# Altium PCB Flatsat.PcbDoc (part 1 of 2)
Units mm, origin at the board's own origin, x right, y up, seen from the top; angles counter-clockwise.
Board outline 98.55 x 99.06 mm, 2 copper layers (Top Layer, Bottom Layer), stack 1.621 mm thick; 111 components, 53 nets, 436 pads, 170 vias.
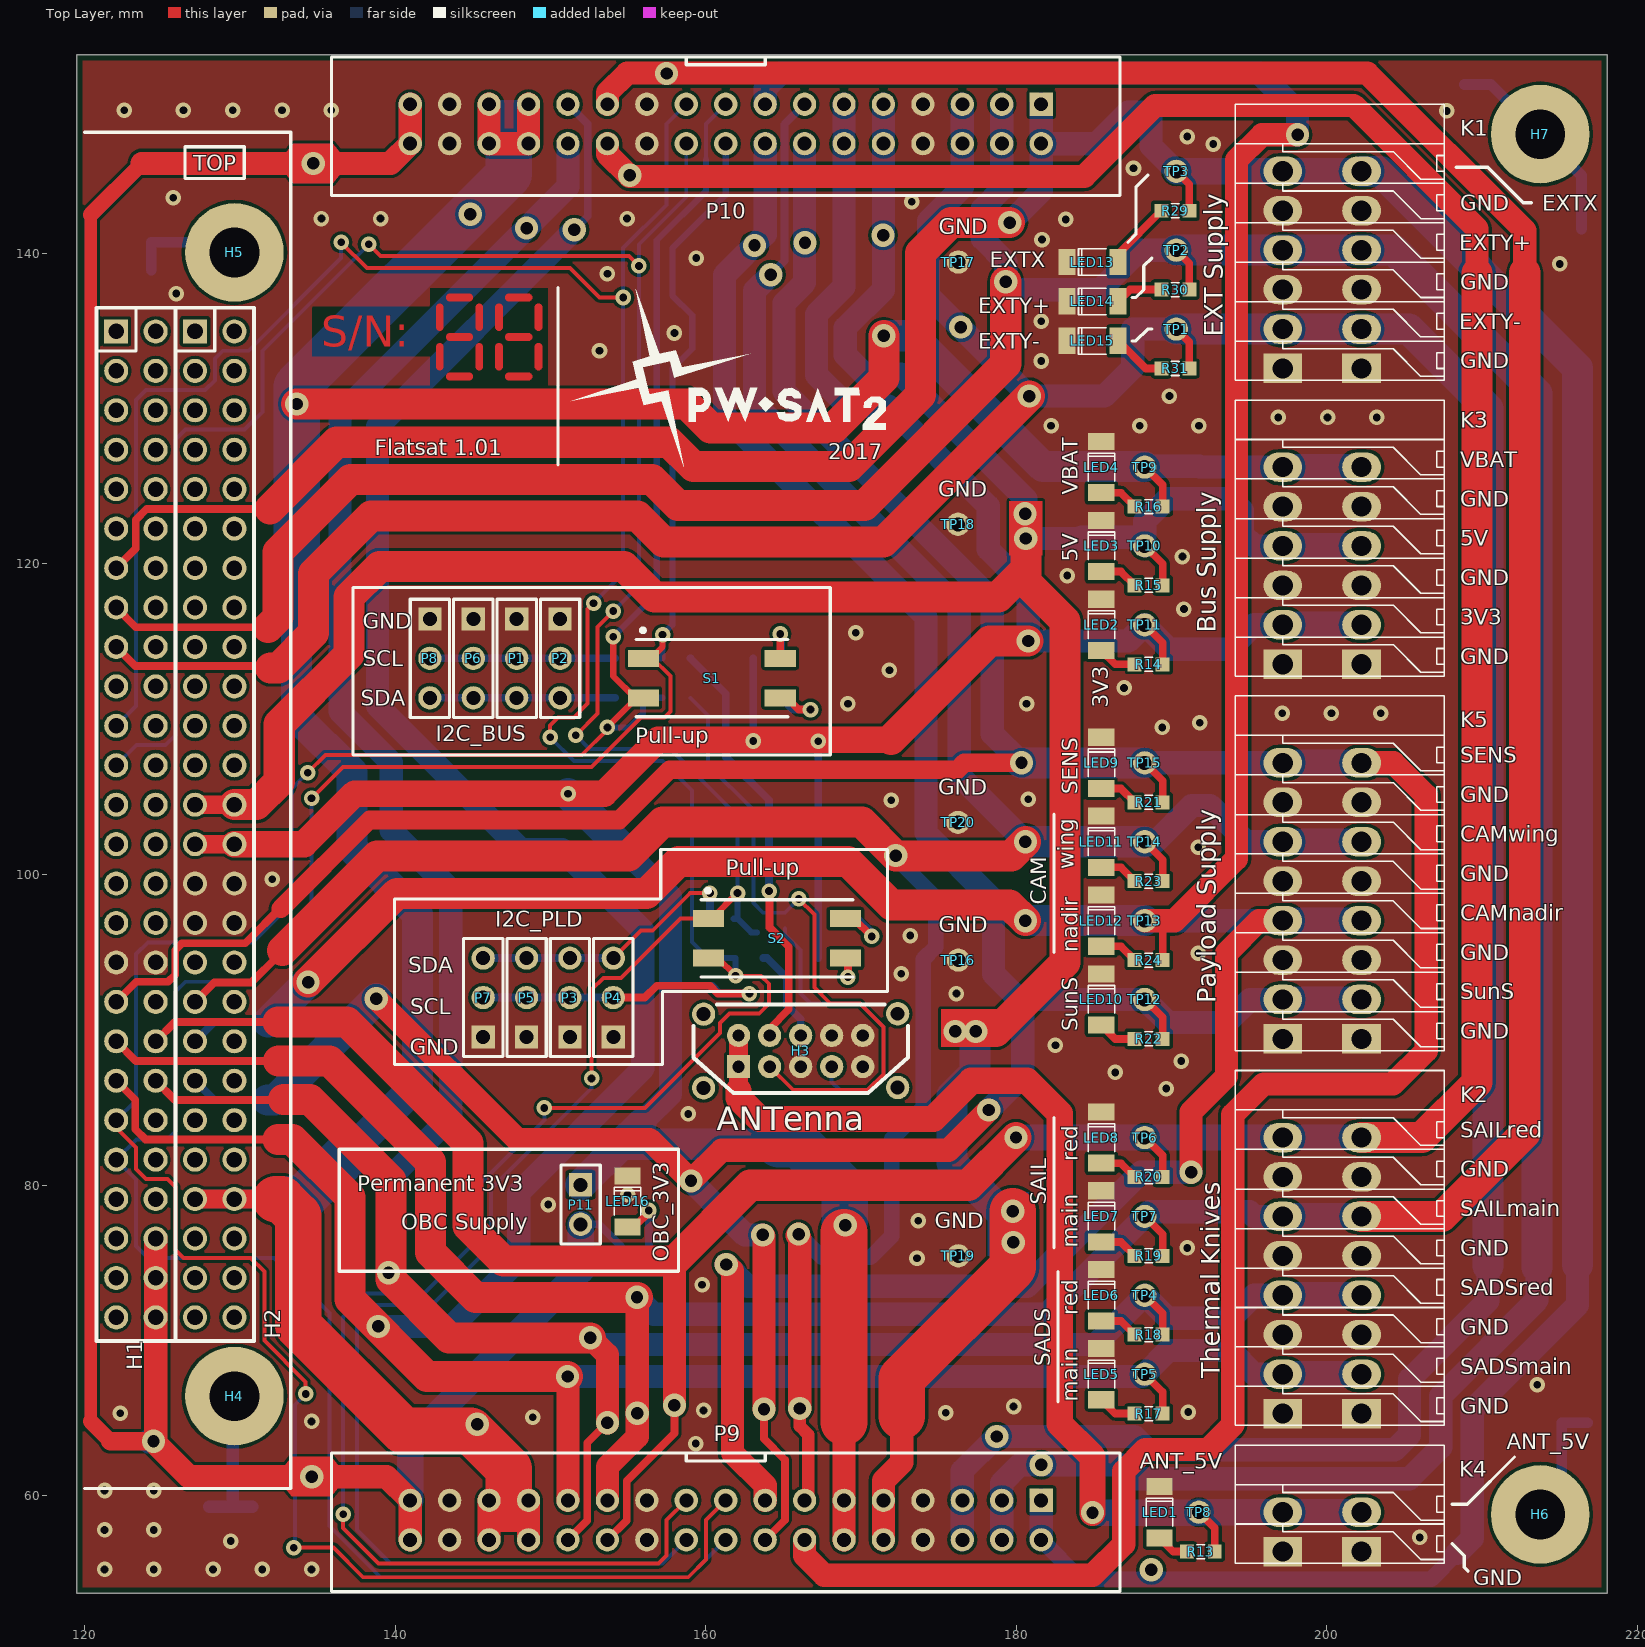
[diagram p0: Top Layer view]
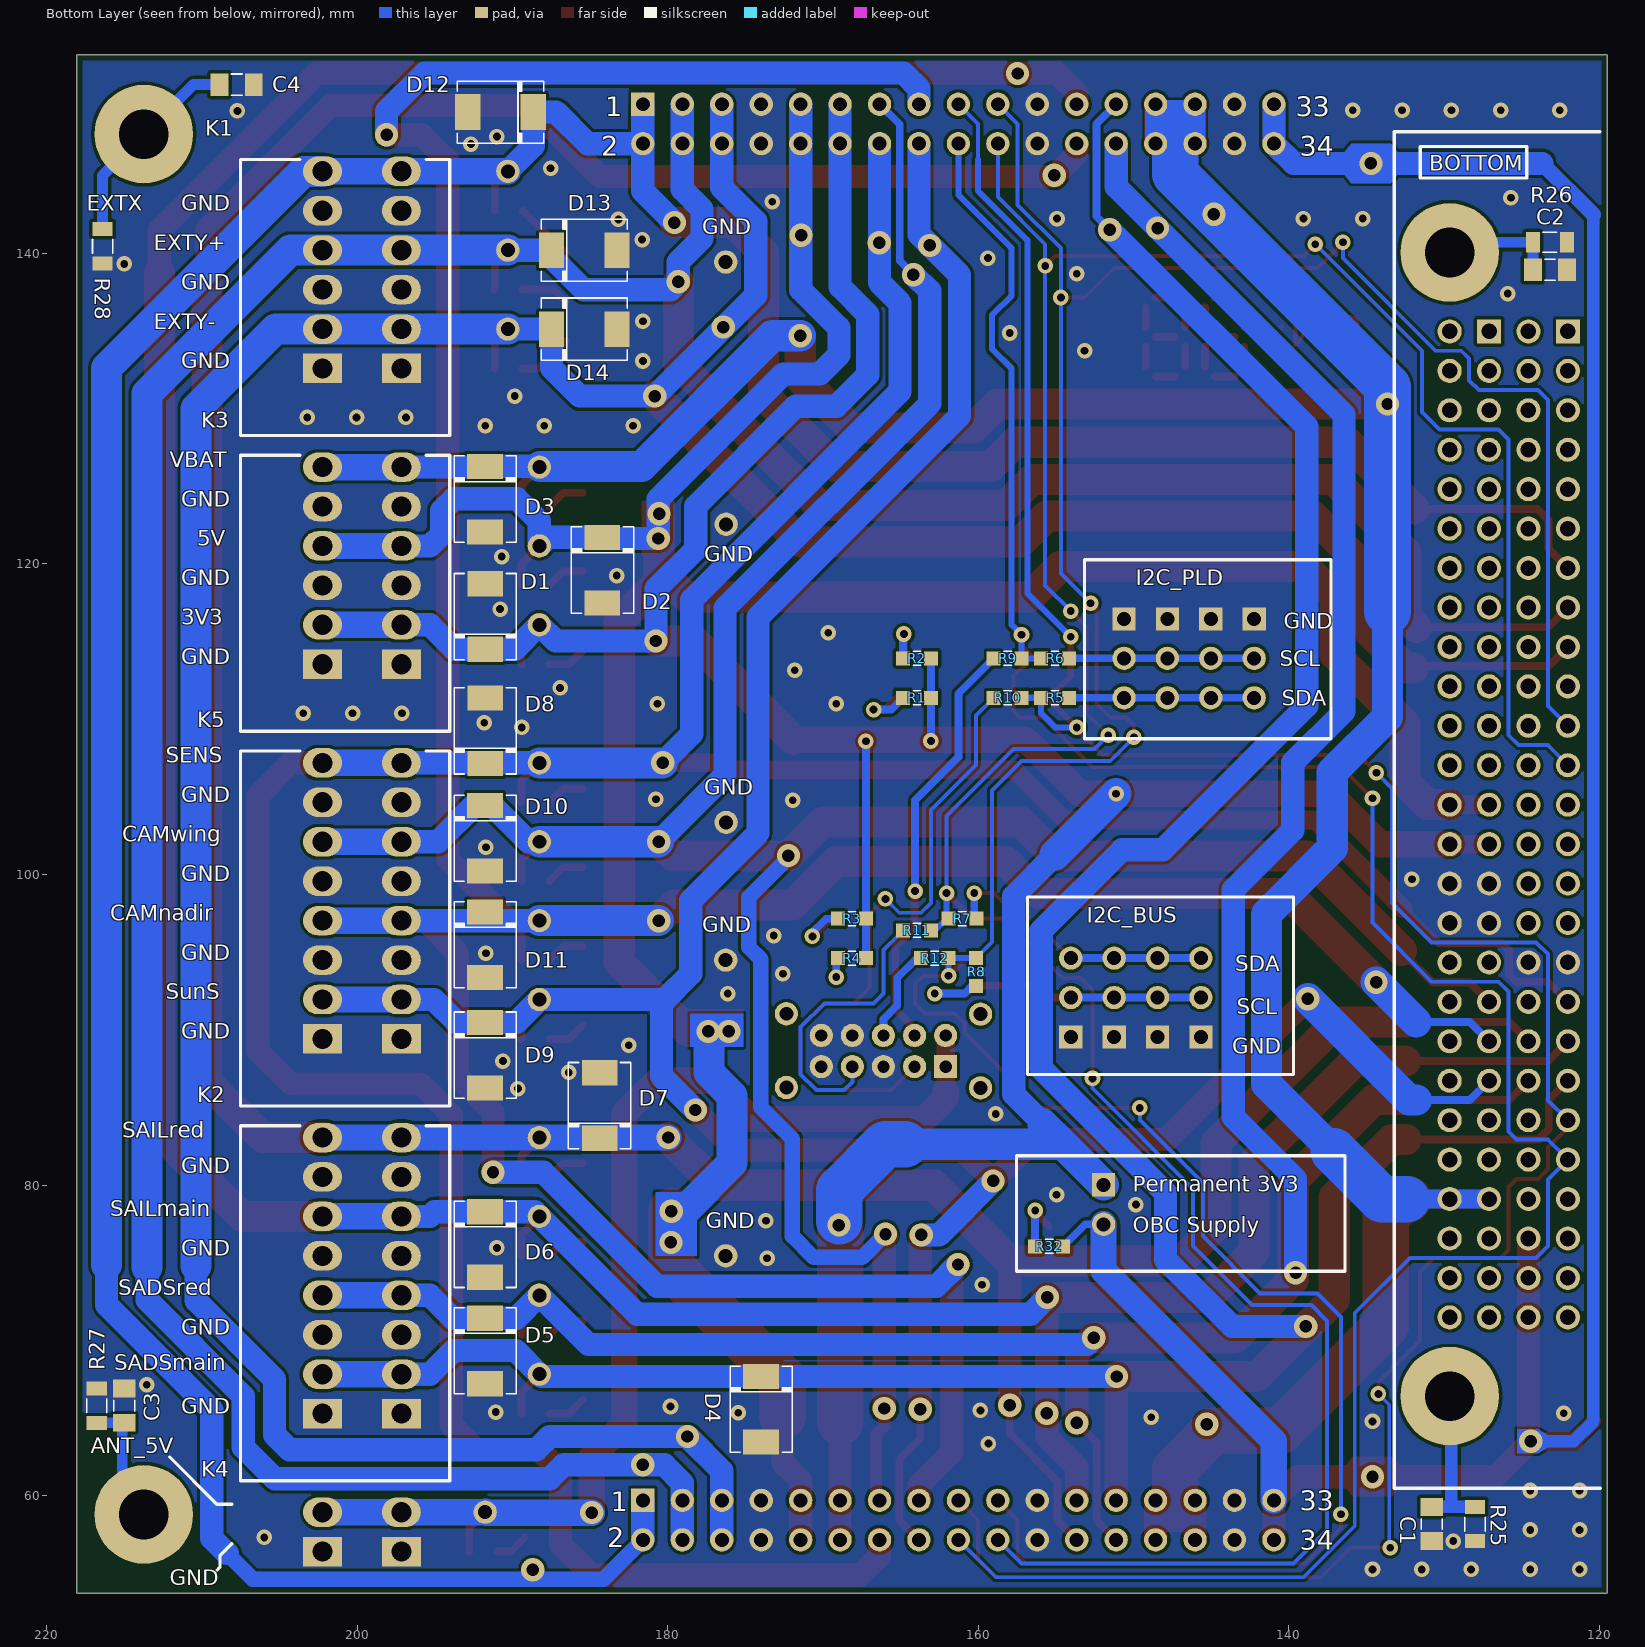
[diagram p1: Bottom Layer view, seen from below]
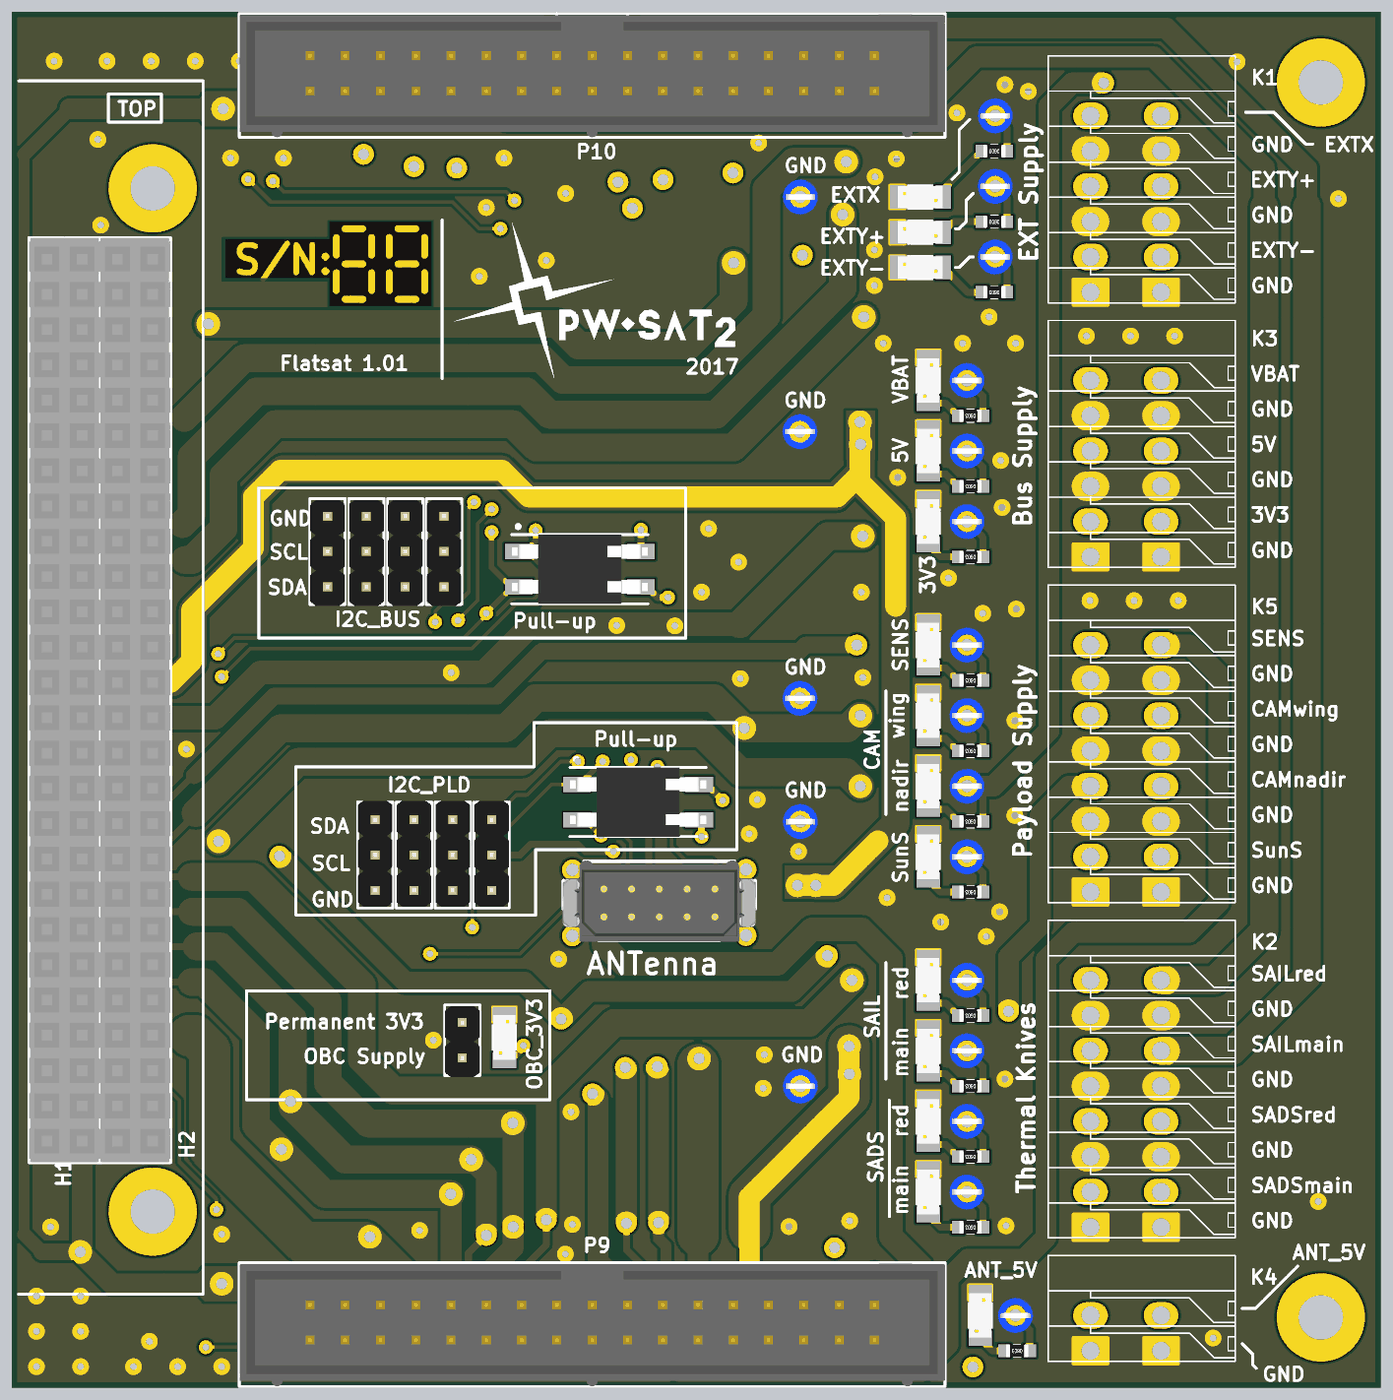
[diagram p3: 3D render of the assembled board from above, using the file's embedded part models]
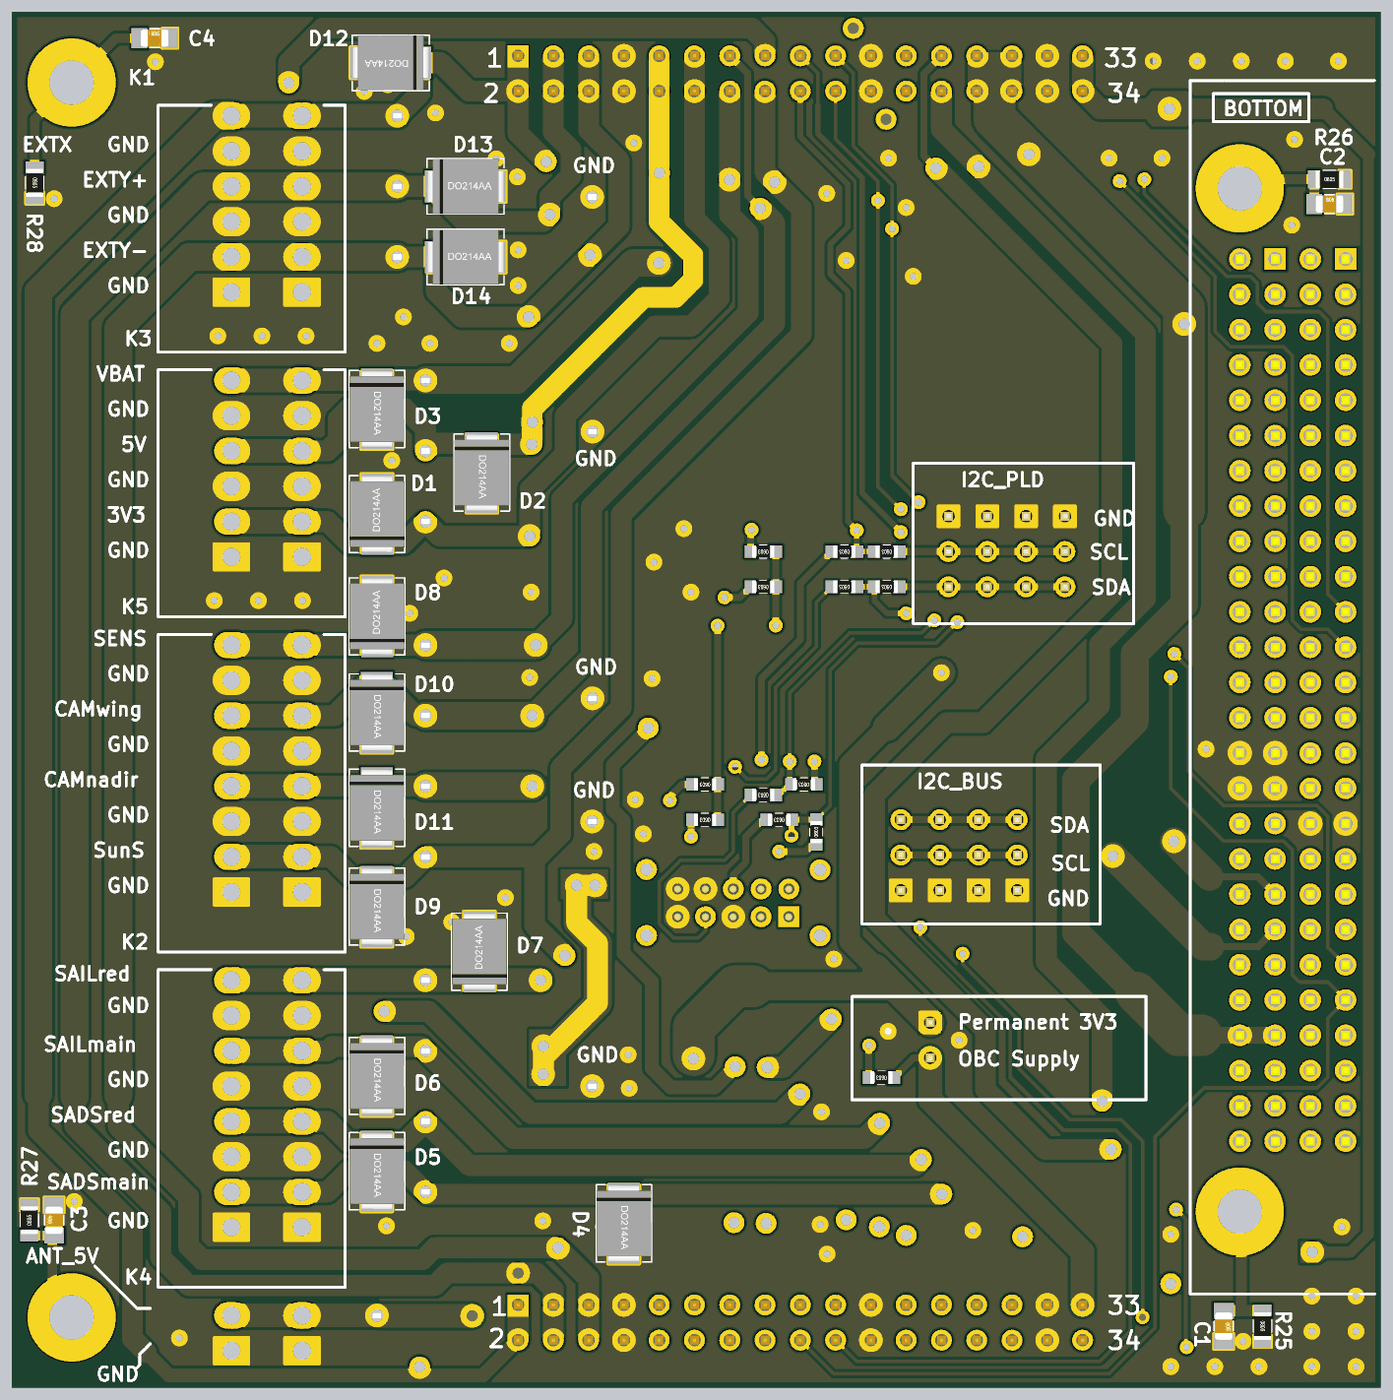
[diagram p4: 3D render of the assembled board from below, using the file's embedded part models]

## Layer stack, top to bottom
Top Solder: solder mask 0.0102, Solder Resist, Dk 3.5
Top Layer: signal copper 0.0356
Dielectric1: dielectric 1.55, FR-4, Dk 4.8
Bottom Layer: signal copper 0.0356
Bottom Solder: solder mask 0.0102, Solder Resist, Dk 3.5

## Board outline
119.507,53.721 218.059,53.721 218.059,152.781 119.507,152.781

## Design rules (kind name [scope] priority, off if disabled: settings)
AssemblyTestPointUsage AssemblyTestPointUsage_1 [All] p2:
AssemblyTestpoint AssemblyTestpoint_1 [All] p2: testpointundercomponent=TRUE minsize=1.016 maxsize=2.54 preferedsize=1.524 minholesize=0 maxholesize=1.016 preferedholesize=0.813 testpointgrid=0.025 usegrid=TRUE gridtolerance=0 allowsidetop=TRUE allowsidebottom=TRUE
Clearance Clearance_Polygons [InNamedPolygon('GND')] p1: gap=0.3 ignorepadtopadclearanceinfootprint=FALSE except(0: Arc-Hole Track-Hole SMDPad-Hole THPad-Hole Via-Hole Fill-Hole Poly-Hole Region-Hole Text-Hole)
Clearance [All] p2: gap=0.203 ignorepadtopadclearanceinfootprint=FALSE except(0: Arc-Hole Track-Hole SMDPad-Hole THPad-Hole Via-Hole Fill-Hole Poly-Hole Region-Hole Text-Hole)
ComponentClearance ComponentClearance_2 [HasFootprint('Samtec_SSQ-126-21-G-D')] p1: gap=0 collisioncheckmode=3 verticalgap=0 showdistances=FALSE
DiffPairsRouting DiffPairsRouting_1 [All] p2: maxlimit=0.254 minlimit=0.254 mostfreqgap=0.254 toplayer_minwidth=0.381 toplayer_maxwidth=0.381 toplayer_prefwidth=0.381 bottomlayer_minwidth=0.381 bottomlayer_maxwidth=0.381 bottomlayer_prefwidth=0.381 maxuncoupledlength=12.7
FabricationTestPointUsage TestPointUsage [All] p2: valid=0 allowmultiple=FALSE
FabricationTestpoint Testpoint [All] p2: side=3 testpointundercomponent=TRUE minsize=1.016 maxsize=2.54 preferedsize=1.524 minholesize=0 maxholesize=1.016 preferedholesize=0.813 testpointgrid=0.025 allowsidetop=TRUE allowsidebottom=TRUE usegrid=TRUE gridtolerance=0
FanoutControl Fanout_LCC [IsLCC] p1: bgadir=Out bgaviamode=Centered fanoutstyle=Auto fanoutdirection=Alternating viagrid=0.025 // Fanout_LCC (Default Rule)
FanoutControl Fanout_BGA [IsBGA] p2: bgadir=Out bgaviamode=Centered fanoutstyle=Auto fanoutdirection=Alternating viagrid=0.025 // Fanout_BGA (Default Rule)
FanoutControl Fanout_Default [All] p4: bgadir=Out bgaviamode=Centered fanoutstyle=Auto fanoutdirection=Alternating viagrid=0.025 // Fanout_Default (Default Rule)
FanoutControl Fanout_Small [(CompPinCount < 5)] p5: bgadir=Out bgaviamode=Centered fanoutstyle=Auto fanoutdirection=OutThenIn viagrid=0.025 // Fanout_Small (Default Rule)
FanoutControl Fanout_BGA_1 [IsBGA] p6: bgadir=Out bgaviamode=Centered fanoutstyle=Auto fanoutdirection=Alternating viagrid=0.025 // Fanout_BGA (Default Rule)
FanoutControl Fanout_LCC_1 [IsLCC] p7: bgadir=Out bgaviamode=Centered fanoutstyle=Auto fanoutdirection=Alternating viagrid=0.025 // Fanout_LCC (Default Rule)
FanoutControl Fanout_SOIC_1 [IsSOIC] p8: bgadir=Out bgaviamode=Centered fanoutstyle=Auto fanoutdirection=Alternating viagrid=0.025 // Fanout_SOIC (Default Rule)
FanoutControl Fanout_Small_1 [(CompPinCount < 5)] p9: bgadir=Out bgaviamode=Centered fanoutstyle=Auto fanoutdirection=OutThenIn viagrid=0.025 // Fanout_Small (Default Rule)
FanoutControl Fanout_Default_1 [All] p10: bgadir=Out bgaviamode=Centered fanoutstyle=Auto fanoutdirection=Alternating viagrid=0.025 // Fanout_Default (Default Rule)
Height Height_1 [All] p2: minheight=0 maxheight=25.4 prefheight=12.7
HoleSize [All] p1: absolutevalues=TRUE maxlimit=4 minlimit=0.025 maxpercent=80.000 minpercent=20.000
HoleSize HoleSize_1 [All] p2: absolutevalues=TRUE maxlimit=4 minlimit=0.025 maxpercent=80.000 minpercent=20.000
HoleToHoleClearance HoleToHoleClearance_1 [All] p2: gap=0.254 allowstackedmicrovias=TRUE
LayerPairs LayerPairs_1 [All] p2: enforce=TRUE
MinimumSolderMaskSliver MinimumSolderMaskSliver_1 [All] p2: minsoldermaskwidth=0.254
NetAntennae NetAntennae_1 [All] p2: netantennaetolerance=0
PasteMaskExpansion PasteMaskExpansion_1 [All] p2: expansion=0
PlaneClearance PlaneClearance_1 [All] p2: clearance=0.508
PolygonConnect Polygon_GND [IsVia AND InNet('GND')] p1: connectstyle=Direct reliefconductorwidth=0.254 reliefentries=4 polygonreliefangle="45 Angle" airgapwidth=0.254
PolygonConnect PolygonConnect_1 [All] p2: connectstyle=Direct reliefconductorwidth=0.254 reliefentries=4 polygonreliefangle="45 Angle" airgapwidth=0.254
RoomDefinition Flatsat_Connectors [InComponentClass('Flatsat_Connectors')] p1: confinementstyle=ConfineIn formatcopy=TRUE lockcomponents=FALSE outline 132.5,144 120.2,144 120.2,65.1 132.5,65.1
RoutingPriority RoutingPriority_1 [All] p2: routingpriority=0
RoutingTopology RoutingTopology_1 [All] p2: topology=Shortest
RoutingVias [All] p1: holewidth=0.635 width=1.016 viastyle="Through Hole" minholewidth=0.711 minwidth=1.27 maxholewidth=0.711 maxwidth=1.27
ShortCircuit ShortCircuit_1 [All] p2: allowed=FALSE
SilkToBoardRegionClearance SilkToBoardRegionClearance_1 [All] p2:
SilkToSilkClearance SilkToSilkClearance_1 [All] p2: silktosilkclearance=0.254
SilkToSolderMaskClearance SilkscreenOverComponentPads [IsPad] p2: minsilkscreentomaskgap=0.254 clearancetoexposedcopper=TRUE
SolderMaskExpansion [All] p1: expansion=0.102
SolderMaskExpansion SolderMaskExpansion_1 [All] p2: expansion=0.102
UnRoutedNet UnRoutedNet_1 [All] p2:
UnpouredPolygon UnpouredPolygon_1 [All] p2:
Width [All] p1: maxlimit=5 minlimit=0.102 preferedwidth=0.203 minimp=50.000000 maximp=50.000000 favimp=50.000000
24 further rules are at their usual default settings.

## Components (designator, comment, footprint, x,y, rotation, side; value= is the part's Value field where it differs from the comment)
C1 "Cap" SMD_Capacitor_0805 130.81,58.166 r270 bottom value=10n
C2 "Cap" SMD_Capacitor_0805 123.19,138.938 r180 bottom value=10n
C3 "Cap" SMD_Capacitor_0805 215.011,65.786 r90 bottom value=10n
C4 "Cap" SMD_Capacitor_0805 207.772,150.876 r180 bottom value=10n
D1 "SMLVT3V3" DO-214AA 191.77,116.586 r90 bottom
D2 "SMBJ5.0A" DO-214AA 184.212,119.634 r270 bottom
D3 "SMBJ8.5A" DO-214AA 191.77,124.206 r270 bottom
D4 "SMBJ8.5A" DO-214AA 173.99,65.583 r270 bottom
D5 "SMBJ8.5A" DO-214AA 191.77,69.342 r270 bottom
D6 "SMBJ8.5A" DO-214AA 191.77,76.2 r270 bottom
D7 "SMBJ8.5A" DO-214AA 184.404,85.09 r90 bottom
D8 "SMBJ5.0A" DO-214AA 191.77,109.22 r90 bottom
D9 "SMLVT3V3" DO-214AA 191.77,88.392 r270 bottom
D10 "SMLVT3V3" DO-214AA 191.77,102.362 r270 bottom
D11 "SMLVT3V3" DO-214AA 191.77,95.504 r270 bottom
D12 "SMBJ5.0A" DO-214AA 190.754,149.098 r0 bottom
D13 "SMBJ12A" DO-214AA 185.42,140.208 r180 bottom
D14 "SMBJ12A" DO-214AA 185.42,135.128 r180 bottom
H1 "Samtec Header ESQ-126-39-G-D" Samtec_ESQ-126-39-G-D 122.035,134.975 r270 top locked
H2 "Samtec Header ESQ-126-39-G-D" Samtec_ESQ-126-39-G-D 127.11,134.975 r270 top locked
H3 "ANTenna" Harwin_Datamate_L-Tek_M80-8671005 162.116,87.63 r0 top value="Harwin DataMate L-Tek 2x5pin"
H4 "PC-104" PC-104_PcbMntHole_M3 129.65,66.404 r0 top value="Mounting Hole"
H5 "PC-104" PC-104_PcbMntHole_M3 129.65,140.064 r0 top value="Mounting Hole"
H6 "Flatsat" PC-104_PcbMntHole_M3 213.75,58.784 r0 top value="Mounting Hole"
H7 "Flatsat" PC-104_PcbMntHole_M3 213.75,147.684 r0 top value="Mounting Hole"
K1 "EXT Supply" TerminalBlock_Spring_2.54_6-R 197.166,132.588 r0 top
K2 "Thermal Knives" TerminalBlock_Spring_2.54_8-R 197.166,65.278 r0 top
K3 "Bus Supply" TerminalBlock_Spring_2.54_6-R 197.166,113.538 r0 top
K4 "ANT_5V" TerminalBlock_Spring_2.54_2-R 197.166,56.388 r0 top
K5 "Payload Supply" TerminalBlock_Spring_2.54_8-R 197.166,89.408 r0 top
LED1 "ANT_5V" SMD_LED_1206 189.23,58.928 r90 top
LED2 "3V3" SMD_LED_1206 185.482,116.078 r90 top
LED3 "5V" SMD_LED_1206 185.482,121.158 r90 top
LED4 "VBAT" SMD_LED_1206 185.482,126.238 r90 top
LED5 "SADSmain" SMD_LED_1206 185.482,67.818 r90 top
LED6 "SADSred" SMD_LED_1206 185.482,72.898 r90 top
LED7 "SAILmain" SMD_LED_1206 185.482,77.978 r90 top
LED8 "SAILred" SMD_LED_1206 185.482,83.058 r90 top
LED9 "SENS" SMD_LED_1206 185.482,107.188 r90 top
LED10 "SunS" SMD_LED_1206 185.482,91.948 r90 top
LED11 "CAMwing" SMD_LED_1206 185.482,102.108 r90 top
LED12 "CAMnadir" SMD_LED_1206 185.482,97.028 r90 top
LED13 "EXTX" SMD_LED_1206 184.912,139.446 r180 top
LED14 "EXTY+" SMD_LED_1206 184.912,136.906 r180 top
LED15 "EXTY-" SMD_LED_1206 184.912,134.366 r180 top
LED16 "OBC_3V3" SMD_LED_1206 154.965,78.943 r90 top
P1 "I2C_BUS" "HEADER 1X3 MALE" 147.828,116.459 r270 top
P2 "I2C_BUS" "HEADER 1X3 MALE" 150.622,116.459 r270 top
P3 "I2C_PLD" "HEADER 1X3 MALE" 151.257,89.535 r90 top
P4 "I2C_PLD" "HEADER 1X3 MALE" 154.051,89.535 r90 top
P5 "I2C_PLD" "HEADER 1X3 MALE" 148.463,89.535 r90 top
P6 "I2C_BUS" "HEADER 1X3 MALE" 145.034,116.459 r270 top
P7 "I2C_PLD" "HEADER 1X3 MALE" 145.669,89.535 r90 top
P8 "I2C_BUS" "HEADER 1X3 MALE" 142.24,116.459 r270 top
P9 "PC-104" IDC-34-Male-Socket 181.61,59.69 r180 top
P10 "PC-104" IDC-34-Male-Socket 181.61,149.606 r180 top
P11 "OBC_3V3" "HEADER 1X2 Male" 151.943,80.01 r270 top
R1 "4.7k" SMD_Resistor_0603 163.957,111.379 r0 bottom
R2 "4.7k" SMD_Resistor_0603 163.957,113.919 r0 bottom
R3 "4.7k" SMD_Resistor_0603 168.148,97.155 r0 bottom
R4 "4.7k" SMD_Resistor_0603 168.148,94.615 r0 bottom
R5 "51R" SMD_Resistor_0603 155.067,111.379 r0 bottom
R6 "51R" SMD_Resistor_0603 155.067,113.919 r0 bottom
R7 "51R" SMD_Resistor_0603 161.036,97.155 r0 bottom
R8 "51R" SMD_Resistor_0603 160.147,93.726 r90 bottom
R9 "51R" SMD_Resistor_0603 158.115,113.919 r0 bottom
R10 "51R" SMD_Resistor_0603 158.115,111.379 r0 bottom
R11 "51R" SMD_Resistor_0603 163.957,96.393 r0 bottom
R12 "51R" SMD_Resistor_0603 162.814,94.615 r0 bottom
R13 "2.2k" SMD_Resistor_0603 191.886,56.388 r180 top
R14 "1k" SMD_Resistor_0603 188.53,113.538 r180 top
R15 "2.2k" SMD_Resistor_0603 188.53,118.618 r180 top
R16 "4.7k" SMD_Resistor_0603 188.53,123.698 r180 top
R17 "4.7k" SMD_Resistor_0603 188.53,65.278 r180 top
R18 "4.7k" SMD_Resistor_0603 188.53,70.358 r180 top
R19 "4.7k" SMD_Resistor_0603 188.53,75.438 r180 top
R20 "4.7k" SMD_Resistor_0603 188.53,80.518 r180 top
R21 "2.2k" SMD_Resistor_0603 188.53,104.648 r180 top
R22 "1k" SMD_Resistor_0603 188.53,89.408 r180 top
R23 "1k" SMD_Resistor_0603 188.53,99.568 r180 top
R24 "1k" SMD_Resistor_0603 188.53,94.488 r180 top
R25 "470k" SMD_Resistor_0805 128.016,58.166 r270 bottom
R26 "470k" SMD_Resistor_0805 123.19,140.716 r180 bottom
R27 "470k" SMD_Resistor_0805 216.789,65.786 r90 bottom
R28 "470k" SMD_Resistor_0805 216.408,140.462 r270 bottom
R29 "2.2k" SMD_Resistor_0603 190.246,142.748 r180 top
R30 "4.7k" SMD_Resistor_0603 190.246,137.668 r180 top
R31 "4.7k" SMD_Resistor_0603 190.246,132.588 r180 top
R32 "1k" SMD_Resistor_0603 155.448,76.048 r0 bottom
S1 "BUS" MCEPM-02 160.401,112.649 r0 top
S2 "PLD" MCEPM-02 164.592,95.885 r0 top
TP1 "EXTY-" Testpoint-1pin 190.308,135.128 r90 top
TP2 "EXTY+" Testpoint-1pin 190.308,140.208 r90 top
TP3 "EXTX" Testpoint-1pin 190.308,145.288 r90 top
TP4 "SADSred" Testpoint-1pin 188.276,72.898 r90 top
TP5 "SADSmain" Testpoint-1pin 188.276,67.818 r90 top
TP6 "SAILred" Testpoint-1pin 188.276,83.058 r90 top
TP7 "SAILmain" Testpoint-1pin 188.276,77.978 r90 top
TP8 "ANT_5V" Testpoint-1pin 191.77,58.928 r90 top
TP9 "VBAT" Testpoint-1pin 188.276,126.238 r90 top
TP10 "5V" Testpoint-1pin 188.276,121.158 r90 top
TP11 "3V3" Testpoint-1pin 188.276,116.078 r90 top
TP12 "SunS" Testpoint-1pin 188.276,91.948 r90 top
TP13 "CAMnadir" Testpoint-1pin 188.276,97.028 r90 top
TP14 "CAMwing" Testpoint-1pin 188.276,102.108 r90 top
TP15 "SENS" Testpoint-1pin 188.276,107.188 r90 top
TP16 "GND" Testpoint-1pin 176.276,94.488 r90 top
TP17 "GND" Testpoint-1pin 176.276,139.446 r90 top
TP18 "GND" Testpoint-1pin 176.251,122.555 r90 top
TP19 "GND" Testpoint-1pin 176.276,75.438 r90 top
TP20 "GND" Testpoint-1pin 176.251,103.353 r90 top

## Footprints (in the part's own frame and the unit in brackets; to place one, negate y for a bottom-side part, rotate by r counter-clockwise, add the part's x,y. Pads: shape width x height; smd on the part's side, far side on the other; paste and mask are expansions set on the pad)
DO-214AA [mm] "JEDEC standard. SMB."
  rect 1.62x2.3 smd: A(2.14,-0.01) K(-2.08,-0.01)
  silkscreen extent -2.75,-2 2.8,2, body extent -2.76,-1.98 2.82,1.96, height 2.65
Harwin_Datamate_L-Tek_M80-8671005 [mm] "Harwin Datamate L-Teck M80-8671005, 2mm pitch, 2x5pin."
  round 1.5 hole 0.9: 0(-2.25,-1.375) 0(-2.25,3.375) 0(10.25,-1.35) 0(10.25,3.4)
  rect 1.5x1.5 hole 0.8: 1(0,0)
  round 1.5 hole 0.8: 2(2,0) 3(4,0) 4(6,0) 5(8,0) 6(0,2) 7(2,2) 8(4,2) 9(6,2) 10(8,2)
  silkscreen extent -2.9,-1.7 10.9,4, body extent -2.94,-1.78 10.96,4.07, height 8.3
"HEADER 1X2 Male" [mm] "Connector; Header; 2 Position; Straight; Male"
  rect 1.5x1.5 hole 0.9: 1(0,0)
  round 1.5 hole 0.9: 2(2.54,0)
  silkscreen extent -1.27,-1.27 3.81,1.27, body extent -1.17,-1.25 3.91,1.25, height 8.2
"HEADER 1X3 MALE" [mm] "Connector; Header; 3 Position, Male"
  rect 1.5x1.5 hole 0.9: 1(0,0)
  round 1.5 hole 0.9: 2(2.54,0) 3(5.08,0)
  silkscreen extent -1.27,-1.27 6.35,1.27, body extent -1.17,-1.25 6.45,1.25, height 8.2
IDC-34-Male-Socket [mm] "IDC Connector; 34 pin, 2.54 mm pitch"
  rect 1.5x1.5 hole 0.9: 1(0,0)
  round 1.5 hole 0.9: 2(0,2.54) 3(2.54,0) 4(2.54,2.54) 5(5.08,0) 6(5.08,2.54) 7(7.62,0) 8(7.62,2.54) 9(10.16,0) 10(10.16,2.54) 11(12.7,0) 12(12.7,2.54) 13(15.24,0) 14(15.24,2.54) 15(17.78,0) 16(17.78,2.54) 17(20.32,0) 18(20.32,2.54) 19(22.86,0) 20(22.86,2.54) 21(25.4,0) 22(25.4,2.54) 23(27.94,0) 24(27.94,2.54) 25(30.48,0) 26(30.48,2.54) 27(33.02,0) 28(33.02,2.54) 29(35.56,0) 30(35.56,2.54) 31(38.1,0) 32(38.1,2.54) 33(40.64,0) 34(40.64,2.54)
  silkscreen extent -5.08,-3.05 45.72,5.87, body extent -5.07,-2.98 45.71,5.87, height 9.17
MCEPM-02 [mm] "MULTICOMP  MCEPM-02  DIP / SIP Switch, 2 Circuits, SPST, SMD, MCEP Series, 24 VDC"
  rect 2x1.1 smd: 1(-4.4,1.27) 2(4.4,1.27) 3(-4.4,-1.27) 4(4.4,-1.27)
  silkscreen extent -4.9,-2.49 4.9,3.2, body extent -4.9,-2.49 4.9,2.49, height 5.1
PC-104_PcbMntHole_M3 [mm] "PCB Mounting Hole for PC-104 standard. Based on Pumpkin's Kit."
  round 6.35 hole 3.2: 1(0,0)
Samtec_ESQ-126-39-G-D [mm] "Samtec ESQ Series Header. ESQ-126-39-G-D. PC-104 Stack."
  rect 1.55x1.55 hole 1: 1(0,0)
  round 1.55 hole 1: 2(0,2.54) 3(2.54,0) 4(2.54,2.54) 5(5.08,0) 6(5.08,2.54) 7(7.62,0) 8(7.62,2.54) 9(10.16,0) 10(10.16,2.54) 11(12.7,0) 12(12.7,2.54) 13(15.24,0) 14(15.24,2.54) 15(17.78,0) 16(17.78,2.54) 17(20.32,0) 18(20.32,2.54) 19(22.86,0) 20(22.86,2.54) 21(25.4,0) 22(25.4,2.54) 23(27.94,0) 24(27.94,2.54) 25(30.48,0) 26(30.48,2.54) 27(33.02,0) 28(33.02,2.54) 29(35.56,0) 30(35.56,2.54) 31(38.1,0) 32(38.1,2.54) 33(40.64,0) 34(40.64,2.54) 35(43.18,0) 36(43.18,2.54) 37(45.72,0) 38(45.72,2.54) 39(48.26,0) 40(48.26,2.54) 41(50.8,0) 42(50.8,2.54) 43(53.34,0) 44(53.34,2.54) 45(55.88,0) 46(55.88,2.54) 47(58.42,0) 48(58.42,2.54) 49(60.96,0) 50(60.96,2.54) 51(63.5,0) 52(63.5,2.54)
  silkscreen extent -1.52,-1.27 65.02,3.81, body extent -1.52,-1.27 65.02,3.81, height 11.05
SMD_Capacitor_0805 [mm] "SMD Capacitor, Inch 0805, Metric 2012."
  rect 1.15x1.45 smd: 1(-1.1,0) 2(1.1,0)
  silkscreen extent -0.35,-0.68 0.35,0.68, body extent -1,-0.62 1,0.63, height 0.78
SMD_LED_1206 [mm] "SMD LED diode, Inch 1206, Metric 3216."
  rect 1.1x1.7 smd: A(-1.65,0) K(1.65,0)
  silkscreen extent -0.9,-0.85 0.9,0.85, body extent -1.6,-0.8 1.6,0.8, height 1.11
SMD_Resistor_0603 [mm] "SMD Resistor, Inch 0603, Metric 1608."
  rect 0.9x0.9 smd: 1(-0.9,0) 2(0.9,0)
  silkscreen extent -0.25,-0.45 0.25,0.45, body extent -0.8,-0.45 0.8,0.45, height 0.5
SMD_Resistor_0805 [mm] "SMD Resistor, Inch 0805, Metric 2012."
  rect 0.9x1.3 smd: 1(-1.1,0) 2(1.1,0)
  silkscreen extent -0.45,-0.65 0.45,0.65, body extent -1,-0.62 1,0.63, height 0.5
TerminalBlock_Spring_2.54_2-R [mm] "Terminal block with spring, 2.54mm pitch, right angle, 2-pin."
  rect 2.5x1.9 hole 1.3: 1(0,0) 1(5.08,0)
  oval 2.5x1.9 hole 1.3: 2(0,2.54) 2(5.08,2.54)
  silkscreen extent -3.05,-0.76 10.41,6.86, body extent -3.05,-0.74 10.41,6.86, height 12.6
TerminalBlock_Spring_2.54_6-R [mm] "Terminal block with spring, 2.54mm pitch, right angle, 6-pin."
  rect 2.5x1.9 hole 1.3: 1(0,0) 1(5.08,0)
  oval 2.5x1.9 hole 1.3: 2(0,2.54) 2(5.08,2.54) 3(0,5.08) 3(5.08,5.08) 4(0,7.62) 4(5.08,7.62) 5(0,10.16) 5(5.08,10.16) 6(0,12.7) 6(5.08,12.7)
  silkscreen extent -3.05,-0.76 10.41,17.02, body extent -3.05,-0.74 10.41,17.02, height 12.6
TerminalBlock_Spring_2.54_8-R [mm] "Terminal block with spring, 2.54mm pitch, right angle, 8-pin."
  rect 2.5x1.9 hole 1.3: 1(0,0) 1(5.08,0)
  oval 2.5x1.9 hole 1.3: 2(0,2.54) 2(5.08,2.54) 3(0,5.08) 3(5.08,5.08) 4(0,7.62) 4(5.08,7.62) 5(0,10.16) 5(5.08,10.16) 6(0,12.7) 6(5.08,12.7) 7(0,15.24) 7(5.08,15.24) 8(0,17.78) 8(5.08,17.78)
  silkscreen extent -3.05,-0.76 10.41,22.1, body extent -3.05,-0.74 10.41,22.1, height 12.6
Testpoint-1pin [mm] "Testpoint; 1 Pin;"
  round 1.5 hole 0.9: 1(0,0)
  body extent -1.27,-1.27 1.27,1.27, height 4.89

## Part data
C1 C2 C3 C4: Package=0805
D1 D9 D10 D11: "Low voltage Transil 3.3V", Manufacturer=STMicroelectronics, HelpUrl=http://www.tme.eu/pl/Document/654e93f22e9bd1a3be2718a9a326b374/SMLVT3V3.pdf, Supplier 1=TME, TME=SMLVT3V3
D2 D8 D12: "Transil 5V", Manufacturer=STMicroelectronics, HelpUrl=http://www.tme.eu/pl/Document/3ca73e787117e5922dd0ae20e48304b9/SMBJ5.0A-TR.pdf, Supplier 1=TME, TME=SMBJ5.0A-TR
D3 D4 D5 D6 D7: "Transient Voltage Suppression Diodes 8.5V", Manufacturer=Littelfuse, HelpUrl=http://www.tme.eu/pl/Document/757bbc6bd363b88ac75c546b0f817d3b/Littelfuse_TVS-Diode_SMBJ.pdf, Supplier 1=TME, TME=SMBJ8.5A-LF
D13 D14: "Transil 12V", Manufacturer=Littelfuse, HelpUrl=http://www.tme.eu/pl/Document/757bbc6bd363b88ac75c546b0f817d3b/Littelfuse_TVS-Diode_SMBJ.pdf, Supplier 1=TME, TME=SMBJ12A-LF
H1 H2: library part Samtec_ESQ-126-xx-x-D, "Samtec ESQ Series Header , 2.54mm pitch, 2x26pin. PC-104 Stack Connector.", HelpUrl=http://suddendocs.samtec.com/catalog_english/esq_th.pdf
H3: library part Harwin_Datamate_L-Tek_2x5pin, "Harwin DataMate L-Tek, 2mm pitch, 2x5pin."
H4 H5 H6 H7: library part MntHole, "PCB Mounting Hole"
K1 K3: library part TerminalBlock_Spring_2.54_6-R, "Terminal block with spring, 6-pin, 2.54mm pitch, right angle.", ProviderPartNumber=TB-2.5-PD-xx, Provider=TME.eu
K2 K5: library part TerminalBlock_Spring_2.54_8-R, "Terminal block with spring, 8-pin, 2.54mm pitch, right angle.", ProviderPartNumber=TB-2.5-PD-xx, Provider=TME.eu
K4: library part TerminalBlock_Spring_2.54_2-R, "Terminal block with spring, 2-pin, 2.54mm pitch, right angle.", ProviderPartNumber=TB-2.5-PD-xx, Provider=TME.eu
LED1 LED2 LED3 LED4 LED5 LED6 LED7 LED8 LED9 LED10 LED11 LED12 LED13 LED14 LED15 LED16: library part LED-1206_RED, "LED diode, SMD1206 package."
P1 P2 P3 P4 P5 P6 P7 P8: library part "Header 3", "Header, 3-Pin", LatestRevisionDate=17-Jul-2002, LatestRevisionNote="Re-released for DXP Platform.", Publisher="Altium Limited"
P9 P10: library part "Header 17X2", "Header, 17-Pin, Dual row", LatestRevisionDate=17-Jul-2002, LatestRevisionNote="Re-released for DXP Platform.", Publisher="Altium Limited"
P11: library part "Header 2", "Header, 2-Pin", LatestRevisionDate=17-Jul-2002, LatestRevisionNote="Re-released for DXP Platform.", Publisher="Altium Limited"
R1 R2 R3 R4 R5 R6 R7 R8 R9 R10 R11 R12 R13 R14 R15 R16 R17 R18 R19 R20 R21 R22 R23 R24 R29 R30 R31 R32: library part Res, Package=0603
R25 R26 R27 R28: library part Res, Package=0805
S1 S2: library part MCEPM-02, Supplier 1=Farnell
TP1 TP2 TP3 TP4 TP5 TP6 TP7 TP8 TP9 TP10 TP11 TP12 TP13 TP14 TP15 TP16 TP17 TP18 TP19 TP20: library part Testpoint, "Testpoint"

## Via types
v1: diameter 1, hole 0.5, Top Layer to Bottom Layer, 114 vias
v2: diameter 1.5, hole 0.8, Top Layer to Bottom Layer, 55 vias
v3: diameter 1/1 (per signal layer), hole 0.5, Top Layer to Bottom Layer, 1 vias

## Nets (pads, with @x,y where several pads share a name; then routed paths per layer and width w, separated by ;. In a path a pad name is that pad's centre, name@x,y a point inside that pad or via, vN(x,y) a via of type N, cw(c..) or ccw(c..) an arc to the next point about the centre after c; other vN are vias at no path point)
ANT_5V: H3.1 H3.6 K4.2 R13.1 TP8.1 | length 74.1
  Top Layer w0.5: TP8.1@191.77,58.928 192.786,57.912 R13.1@192.786,56.388
  Top Layer w1.2: 162.116,86.068 H3.1@162.116,87.63 H3.6@162.116,89.63
  Top Layer w1.7: 162.116,86.068 162.116,85.61 163.474,84.252 174.65,84.252 177.114,86.716 180.696,86.716 182.804,84.607 182.804,64.618 184.912,62.509 v2(184.912,58.903)
  Bottom Layer w1.7: v2(184.912,58.903) 191.694,58.903 191.745,58.953 TP8.1@191.77,58.928 K4.2@197.166,58.928 K4.2@202.246,58.928
NetC1_1: C1.1 H4.1 R25.1 | length 10
  Bottom Layer w0.8: R25.1@128.016,59.266 129.54,59.266 ; H4.1@129.65,66.404 129.54,66.294 129.54,59.266 ; C1.1@130.81,59.266 129.54,59.266
NetC2_1: C2.1 H5.1 R26.1 | length 7.4
  Bottom Layer w0.7: C2.1@124.29,138.938 R26.1@124.29,140.716 128.998,140.716 H5.1@129.65,140.064
NetC3_1: C3.1 H6.1 R27.1 | length 8.1
  Bottom Layer w0.7: H6.1@213.75,58.784 215.138,60.172 215.138,64.686 R27.1@216.789,64.686
NetC4_1: C4.1 H7.1 R28.1 | length 13.4
  Bottom Layer w0.7: C4.1@208.872,150.876 210.558,150.876 H7.1@213.75,147.684 216.408,145.026 R28.1@216.408,141.562
NetH3_2: H3.2 R10.2 | length 41.5
  Top Layer w0.254: H3.2@164.116,87.63 165.64,86.106 170.434,86.106 171.45,87.122 171.45,90.17 169.926,91.694 168.021,91.694 167.005,92.71 167.005,97.409 v1(165.989,98.425)
  Bottom Layer w0.254: R10.2@159.015,111.379 160.147,110.247 160.147,107.061 163.068,104.14 163.068,98.171 163.703,97.536 165.1,97.536 v1(165.989,98.425)
NetH3_4: H3.4 R11.2 | length 18.9
  Bottom Layer w0.254: R11.2@165.1,96.52 165.1,96.139 166.116,95.123 166.116,92.329 166.751,91.694 169.926,91.694 171.45,90.17 171.45,87.122 170.434,86.106 168.656,86.106 168.116,86.646 H3.4@168.116,87.63
NetH3_7: H3.7 R9.2 | length 27.4
  Top Layer w0.5: v1(164.084,98.933) 164.116,98.901 164.116,96.583 165.354,95.345 165.354,91.313 164.116,90.075 H3.7@164.116,89.63
  Bottom Layer w0.5: R9.2@159.015,113.919 161.29,111.644 161.29,107.569 164.084,104.775 v1(164.084,98.933)
NetH3_8: H3.8 R12.2 | length 6.1
  Bottom Layer w0.5: R12.2@163.714,94.615 163.957,94.615 165.227,93.345 165.227,91.567 166.116,90.678 H3.8@166.116,89.63
NetLED1_A: LED1.A R13.2 | length 2.1
  Top Layer w0.5: LED1.A@189.23,57.278 190.12,56.388 R13.2@190.986,56.388
NetLED2_A: LED2.A R14.2 | length 2.5
  Top Layer w0.5: LED2.A@185.482,114.428 186.372,113.538 R14.2@187.63,113.538
NetLED3_A: LED3.A R15.2 | length 2.5
  Top Layer w0.5: LED3.A@185.482,119.508 186.74,119.508 R15.2@187.63,118.618
NetLED4_A: LED4.A R16.2 | length 2.5
  Top Layer w0.5: LED4.A@185.482,124.588 186.74,124.588 R16.2@187.63,123.698
NetLED5_A: LED5.A R17.2 | length 2.5
  Top Layer w0.5: LED5.A@185.482,66.168 186.372,65.278 R17.2@187.63,65.278
NetLED6_A: LED6.A R18.2 | length 2.5
  Top Layer w0.5: LED6.A@185.482,71.248 186.74,71.248 R18.2@187.63,70.358
NetLED7_A: LED7.A R19.2 | length 2.5
  Top Layer w0.5: LED7.A@185.482,76.328 186.74,76.328 R19.2@187.63,75.438
NetLED8_A: LED8.A R20.2 | length 2.5
  Top Layer w0.5: LED8.A@185.482,81.408 186.74,81.408 R20.2@187.63,80.518
NetLED9_A: LED9.A R21.2 | length 2.5
  Top Layer w0.5: LED9.A@185.482,105.538 186.74,105.538 R21.2@187.63,104.648
NetLED10_A: LED10.A R22.2 | length 2.5
  Top Layer w0.5: LED10.A@185.482,90.298 186.372,89.408 R22.2@187.63,89.408
NetLED11_A: LED11.A R23.2 | length 2.5
  Top Layer w0.5: LED11.A@185.482,100.458 186.74,100.458 R23.2@187.63,99.568
NetLED12_A: LED12.A R24.2 | length 2.5
  Top Layer w0.5: LED12.A@185.482,95.378 186.74,95.378 R24.2@187.63,94.488
NetLED13_A: LED13.A R29.2 | length 4.5
  Top Layer w0.5: LED13.A@186.562,139.446 186.562,139.964 R29.2@189.346,142.748
NetLED14_A: LED14.A R30.2 | length 3.1
  Top Layer w0.5: LED14.A@186.562,136.906 187.324,137.668 R30.2@189.346,137.668
NetLED15_A: LED15.A R31.2 | length 3.5
  Top Layer w0.5: LED15.A@186.562,134.366 188.34,132.588 R31.2@189.346,132.588
NetLED16_A: LED16.A R32.2 | length 3.7
  Top Layer w0.5: LED16.A@155.472,77.368 156.337,78.233 v1(156.337,78.359)
  Bottom Layer w0.5: v1(156.337,78.359) 156.348,78.348 R32.2@156.348,76.048
NetP1_2: P1.2 P2.2 P6.2 P8.2 R6.1 | length 11.9
  Bottom Layer w0.5: P8.2@142.24,113.919 P6.2@145.034,113.919 P1.2@147.828,113.919 P2.2@150.622,113.919 R6.1@154.167,113.919
NetP1_3: P1.3 P2.3 P6.3 P8.3 R5.1 | length 11.9
  Bottom Layer w0.5: P8.3@142.24,111.379 P6.3@145.034,111.379 P1.3@147.828,111.379 P2.3@150.622,111.379 R5.1@154.167,111.379
NetP3_2: P3.2 P4.2 P5.2 P7.2 R8.1 | length 20.5
  Top Layer w0.5: P4.2@154.051,92.075 156.083,92.075 156.845,92.837 160.274,92.837 160.782,92.329 v1(162.814,92.329)
  Bottom Layer w0.5: P7.2@145.669,92.075 P5.2@148.463,92.075 P3.2@151.257,92.075 P4.2@154.051,92.075 ; R8.1@160.147,92.826 160.412,92.826 160.909,92.329 v1(162.814,92.329)
NetP3_3: P3.3 P4.3 P5.3 P7.3 R7.1 | length 18.1
  Top Layer w0.254: P4.3@154.051,94.615 155.829,96.393 156.591,96.393 159.004,98.806 v1(160.274,98.806)
  Bottom Layer w0.5: P7.3@145.669,94.615 P5.3@148.463,94.615 P3.3@151.257,94.615 P4.3@154.051,94.615 ; R7.1@160.009,97.155 160.274,97.42 v1(160.274,98.806)
NetR1_2: R1.2 S1.4 | length 4.5
  Top Layer w0.5: S1.4@164.801,111.379 165.227,111.379 165.989,110.617 v1(166.751,110.617)
  Bottom Layer w0.5: R1.2@164.857,111.379 165.619,110.617 v1(166.751,110.617)
NetR2_2: R2.2 S1.2 | length 3.2
  Top Layer w0.5: S1.2@164.801,113.919 v1(164.801,115.488)
  Bottom Layer w0.5: v1(164.801,115.488) 164.857,115.432 R2.2@164.857,113.919
NetR3_2: R3.2 S2.2 | length 4.5
  Top Layer w0.5: S2.2@168.992,97.155 169.545,97.155 v1(170.688,96.012)
  Bottom Layer w0.5: R3.2@169.048,97.155 169.799,97.155 170.815,96.139 v1(170.688,96.012)
NetR4_2: R4.2 S2.4 | length 2.6
  Top Layer w0.5: S2.4@168.992,94.615 169.164,94.443 v1(169.164,93.395)
  Bottom Layer w0.5: R4.2@169.048,94.615 169.164,94.499 v1(169.164,93.395)
PC-104_EXTX: D12.K H1.13 K1.6 P9.1 P9.2 P10.1 P10.2 R29.1 TP3.1 | length 239.9
  Top Layer w0.5: H1.13@122.035,119.735 123.292,120.992 123.292,122.834 124.003,123.546 131.928,123.546 ; TP3.1@190.308,145.288 191.146,144.45 R29.1@191.146,142.748
  Top Layer w2: 131.928,123.546 136.22,127.838 157.632,127.838 159.207,126.263 169.215,126.263 173.838,130.886 173.838,140.03 175.793,141.986 v2(179.578,141.986)
  Bottom Layer w1: P9.2@181.61,57.15 184.15,54.61 206.731,54.61 208.382,56.261
  Bottom Layer w1.5: v2(179.578,141.986) 181.61,144.018 P10.2@181.61,147.066 ; P9.2@181.61,57.15 P9.1@181.61,59.69 ; P10.1@181.61,149.606 P10.2@181.61,147.066 ; TP3.1@190.308,145.288 188.674,146.922 D12.K@188.674,149.108 187.208,149.108 185.166,147.066 P10.2@181.61,147.066 ; 208.382,56.261 209.372,57.252 209.372,65.507 216.154,72.288 216.154,74.549 216.306,74.701
  Bottom Layer w1.7: TP3.1@190.308,145.288 K1.6@197.166,145.288 K1.6@202.246,145.288
  Bottom Layer w2: K1.6@202.246,145.288 203.479,145.288 216.154,132.613 216.154,74.854
  other v2: 188.697,55.22
PC-104_EXTY+: D13.K H1.15 K1.4 P9.3 P9.4 P10.3 P10.4 R30.1 TP2.1 | length 233.1
  Top Layer w0.5: H1.15@122.035,117.195 123.304,115.926 131.775,115.926 131.801,115.9 ; TP2.1@190.308,140.208 191.146,139.37 R30.1@191.146,137.668
  Top Layer w2: 131.801,115.9 132.461,116.561 132.461,120.777 137.135,125.451 156.54,125.451 158.217,123.774 170.231,123.774 179.324,132.867 v2(179.324,138.176)
  Bottom Layer w1.5: P9.4@179.07,57.15 P9.3@179.07,59.69 179.07,60.808 180.238,61.976 v2(181.61,61.976) 186.715,61.976 187.604,61.087 205.308,61.087 207.34,63.119 207.34,66.396 213.538,72.593 213.538,74.676 ; P10.3@179.07,149.606 P10.4@179.07,147.066 179.07,144.12 177.8,142.85 177.8,140.97 179.324,139.446 v2(179.324,138.176) 179.832,137.668 185.42,137.668 187.5,139.748 D13.K@187.5,140.198 187.51,140.208 TP2.1@190.308,140.208
  Bottom Layer w2: TP2.1@190.308,140.208 K1.4@197.166,140.208 K1.4@202.246,140.208 204.318,140.208 213.538,130.988 213.538,74.676
PC-104_EXTY-: D14.K H1.17 K1.2 P9.5 P9.6 P10.5 P10.6 R31.1 TP1.1 | length 233.5
  Top Layer w0.5: H1.17@122.035,114.655 123.263,113.427 131.861,113.427 131.978,113.309 ; TP1.1@190.308,135.128 191.146,134.29 R31.1@191.146,132.588
  Top Layer w2: 131.978,113.309 132.486,113.309 134.747,115.57 134.747,119.38 138.455,123.088 155.6,123.088 157.277,121.412 171.45,121.412 v2(180.848,130.81)
  Bottom Layer w1.5: P9.6@176.53,57.15 P9.5@176.53,59.69 176.53,61.595 v2(178.74,63.805) 187.604,63.805 188.467,62.943 204.37,62.943 205.334,63.906 205.334,67.488 210.388,72.542 210.388,74.778 ; P10.5@176.53,149.606 P10.6@176.53,147.066 176.53,144.247 174.346,142.062 174.346,137.312 v2(180.848,130.81) 185.674,130.81 187.5,132.636 D14.K@187.5,135.118 187.51,135.128 TP1.1@190.308,135.128
  Bottom Layer w2: TP1.1@190.308,135.128 K1.2@197.166,135.128 K1.2@202.246,135.128 205.283,135.128 210.388,130.023 210.388,74.778
  other v2: 176.428,135.255
PC-104_I2C-Bus_SCL: H1.43 P9.18 P10.18 R6.2 R9.1 S1.1 | length 163
  Top Layer w0.254: v1(134.62,104.902) 136.652,106.934 152.654,106.934 155.829,110.109 157.353,110.109 157.734,110.49 157.734,112.776 156.591,113.919 156.464,113.919 S1.1@156.001,113.919
  Top Layer w0.4: S1.1@156.464,113.919 157.226,114.681 v1(157.226,115.443)
  Bottom Layer w0.254: v1(134.62,104.902) 134.62,96.901 130.81,93.091 126.492,93.091 125.857,92.456 125.857,83.439 125.349,82.931 123.331,82.931 H1.43@122.035,81.635 123.317,80.353 123.317,76.073 124.079,75.311 132.207,75.311 135.763,71.755 135.763,58.039 139.065,54.737 158.877,54.737 P9.18@161.29,57.15
  Bottom Layer w0.4: R6.2@155.967,113.919 R9.1@157.215,113.919 157.226,113.93 v1(157.226,115.443) 157.861,116.078 157.861,132.588 159.131,133.858 159.131,136.017 157.861,137.287 157.861,140.335 161.29,143.764 P10.18@161.29,147.066